# Altium PCB RCJ22_motherboard_2_final.PcbDoc (part 3 of 4)
Units mm, origin at the board's own origin, x right, y up, seen from the top; angles counter-clockwise.
Board outline 106.05 x 111.54 mm, 4 copper layers (Top Layer, Signal Layer 1, Signal Layer 2, Bottom Layer), stack 1.651 mm thick; 282 components, 273 nets, 1158 pads, 491 vias.
Unrouted connection lines stored in the file: 163.
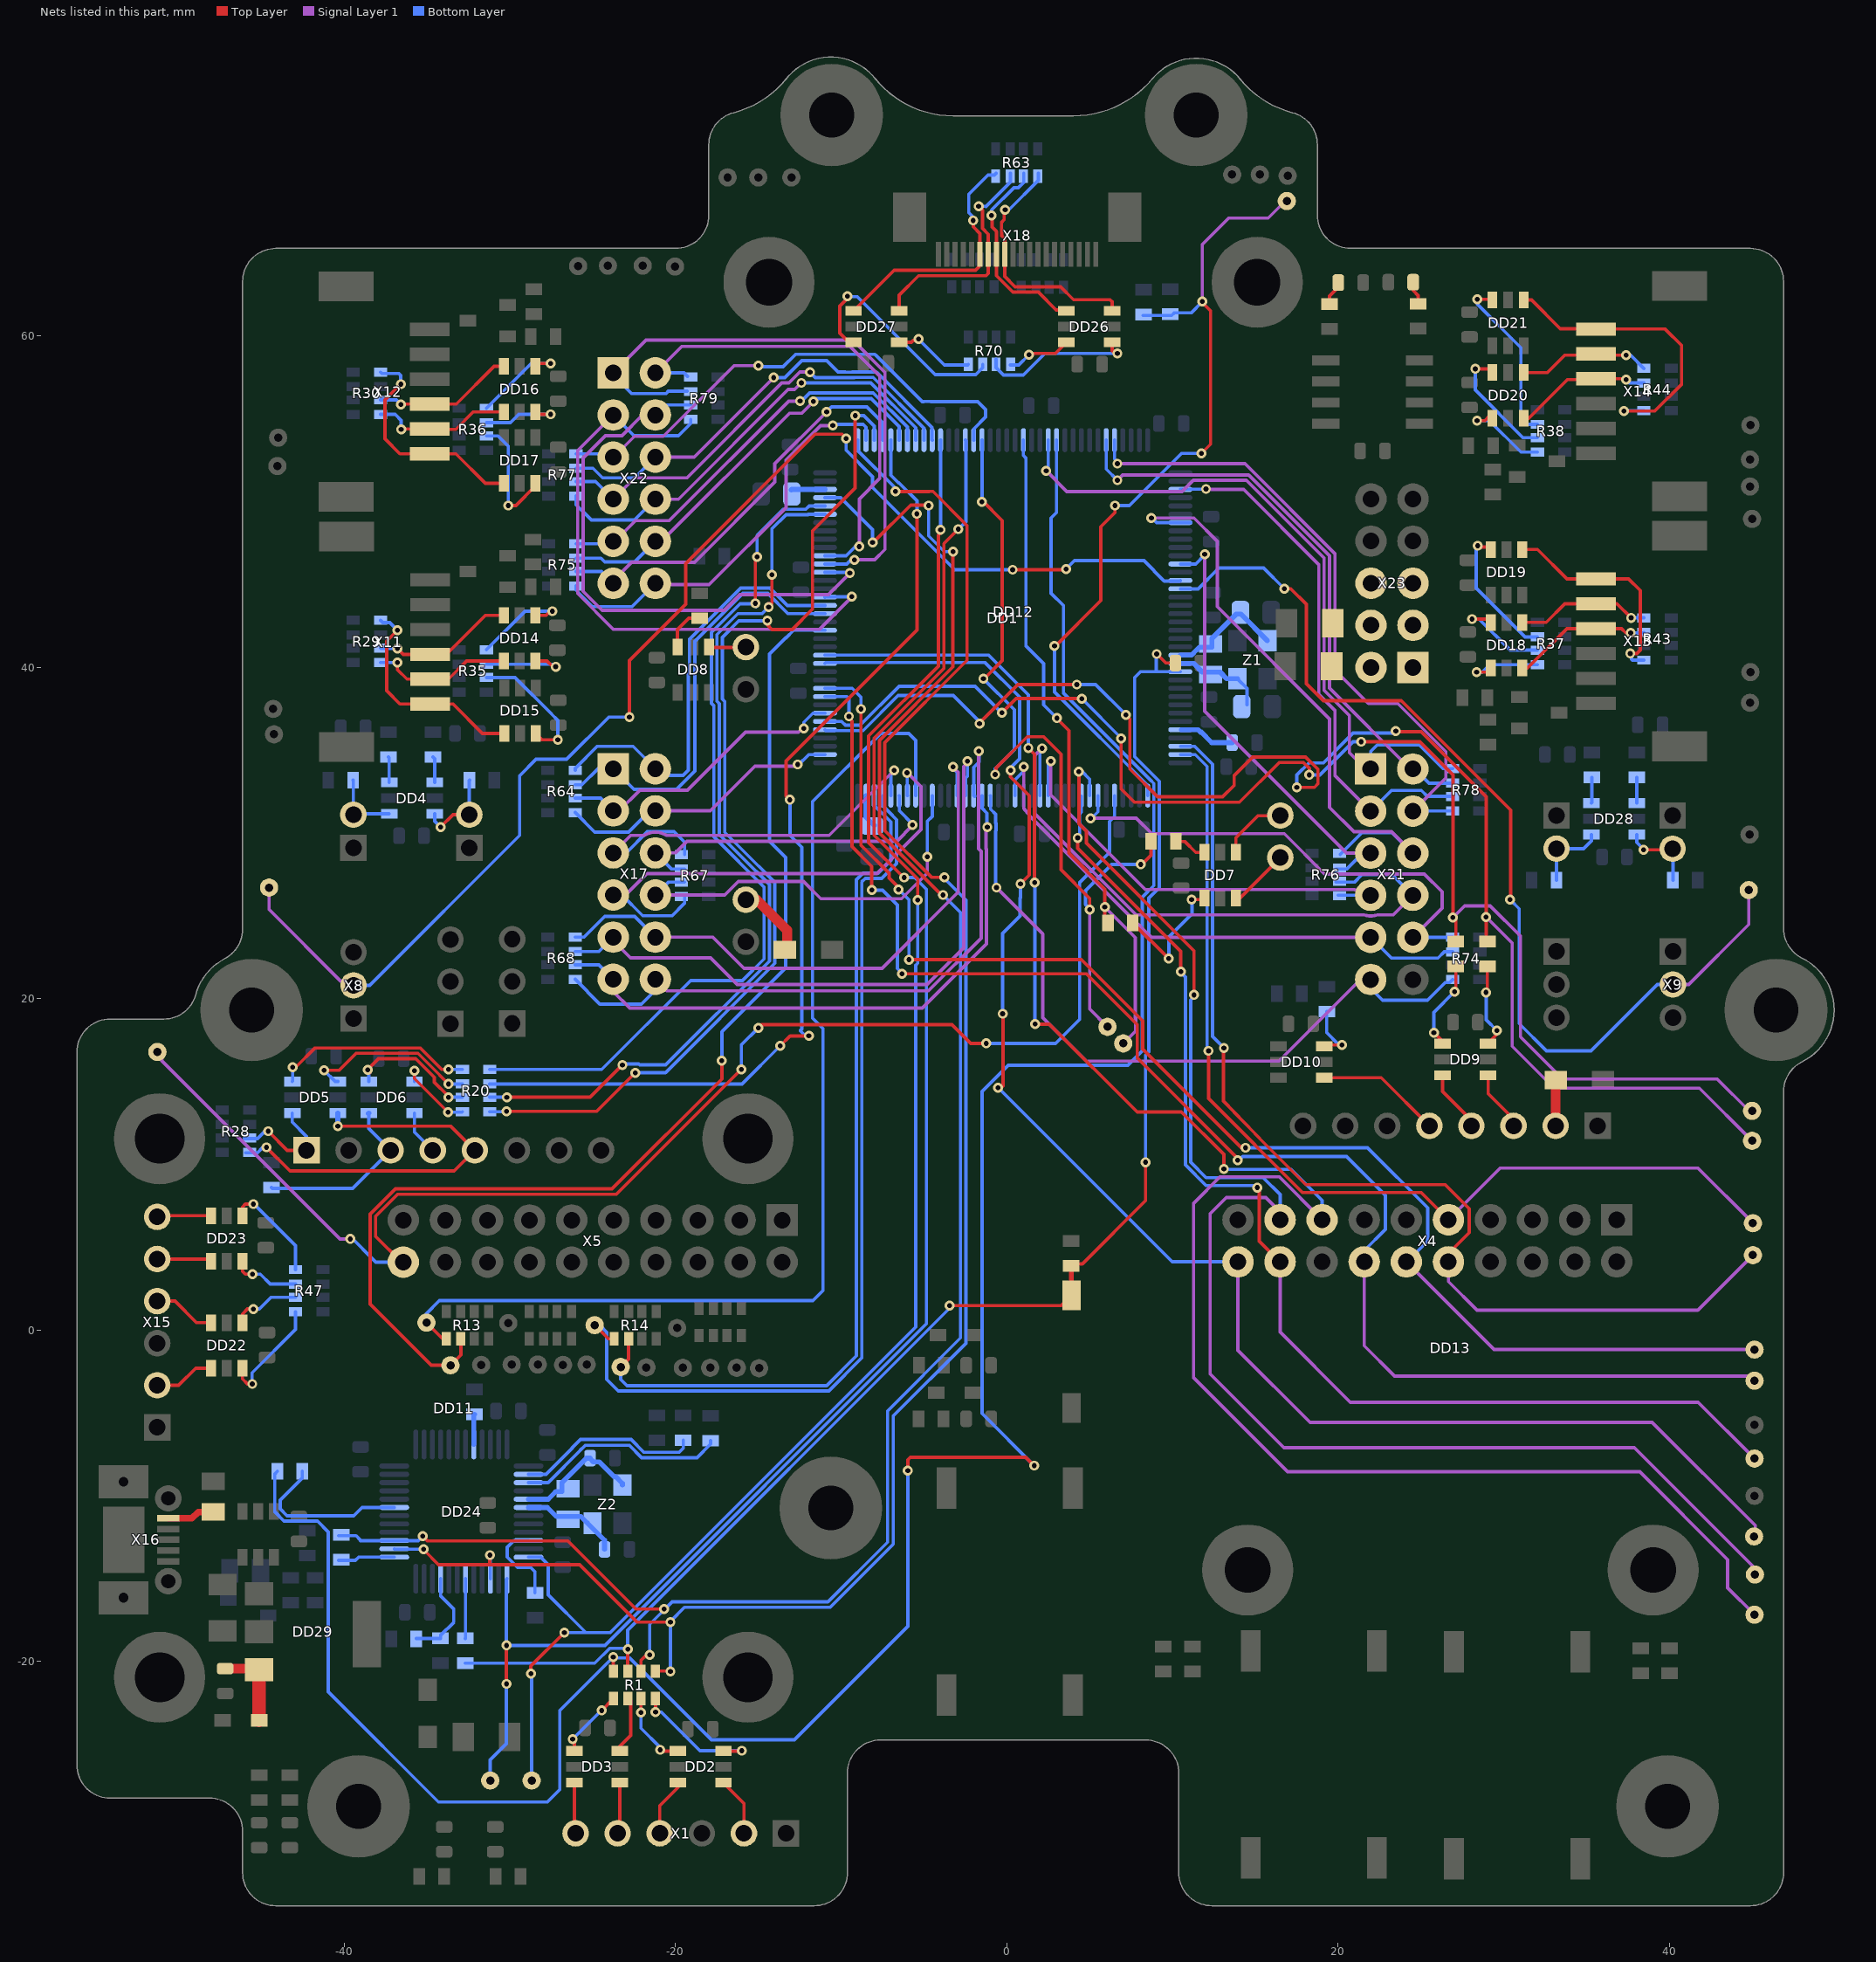
[diagram p5: the nets of this part, all layers, seen from the top]

## Via types
v1: diameter 0.6, hole 0.3, Top Layer to Bottom Layer, tented both sides, 475 vias
v2: diameter 1.1, hole 0.5, Top Layer to Bottom Layer, tented both sides, 16 vias

## Nets (pads, with @x,y where several pads share a name; then routed paths per layer and width w, separated by ;. In a path a pad name is that pad's centre, name@x,y a point inside that pad or via, vN(x,y) a via of type N, cw(c..) or ccw(c..) an arc to the next point about the centre after c; other vN are vias at no path point) (continued)
MCU_MOTOR4_ENC: 24.1 DD1.89 R13.6 | length 69.9
  Top Layer w0.2: R13.6@-32.95,-0.525 -32.95,-1.5 24.1@-33.575,-2.125 -34.737,-2.125 -38.425,1.563 -38.425,7 -36.9,8.525 -23.825,8.525 -17.2,15.15 v1(-17.2,16.25) v1@-17.2,16.3
  Bottom Layer w0.2: v1@-17.2,16.3 -17.2,18 -13.349,21.851 -13.349,28.512 -14.324,29.487 -14.324,40.791 -13.34,41.775 -13.313,41.775 -12.863,42.225 DD1.89@-10.975,42.225
MCU_MOTOR4_ENC_INT: 26.1 DD1.65 R13.5 | length 67.8
  Top Layer w0.2: 26.1@-35.025,0.45 -34.05,-0.525 R13.5@-33.825,-0.525
  Bottom Layer w0.2: 26.1@-35.025,0.45 -35.025,0.995 -34.245,1.775 -11.7,1.775 -11.096,2.379 -11.096,18.192 -11.724,18.82 -11.724,31.883 -7.607,36 -5.925,36 -5.5,35.575 DD1.65@-5.5,32.25
MCU_MOTOR4_IN1: 23.1 DD1.70 R14.6 | length 53.4
  Top Layer w0.2: 23.1@-23.3,-2.225 -22.825,-1.75 R14.6@-22.825,-0.525
  Bottom Layer w0.2: 23.1@-23.3,-2.225 -23.3,-2.975 -22.925,-3.35 -10.879,-3.35 -9.08,-1.551 -9.08,27.17 -8.675,27.575 -7.761,27.575 -7,28.336 -7,30.664 -7.511,31.175 -7.53,31.175 -7.875,31.52 -7.875,31.523 -8,31.648 DD1.70@-8,32.25
MCU_MOTOR4_IN2: 25.1 DD1.69 R14.5 | length 57.5
  Top Layer w0.2: 25.1@-24.875,0.3 -24.05,-0.525 R14.5@-23.7,-0.525
  Bottom Layer w0.2: 25.1@-24.875,0.3 -24.575,0.3 -24.15,-0.125 -24.15,-2.975 -23.45,-3.675 -10.744,-3.675 -8.755,-1.686 -8.755,27.035 -8.541,27.25 -7.549,27.25 -6.65,28.149 -6.65,30.795 -7.134,31.279 -7.375,31.52 -7.375,31.523 -7.5,31.648 DD1.69@-7.5,32.25
MCU_PA7: DD1.43 R74.8 X21.10 | length 31.2
  Signal Layer 1 w0.2: v1(5.05,30.875) 5.069,30.894 7.806,30.894 8.75,29.95 16.75,29.95 19.175,27.525 25.2,27.525 26.275,26.45 26.275,25.47 X21.10@24.5,23.695 X21.10@24.5,24.352
  Bottom Layer w0.2: v1(5.05,30.875) 5.1,30.875 5.5,31.275 DD1.43@5.5,32.25 ; X21.10@24.505,23.7 R74.8@26.9,23.7
MCU_PA15: DD1.110 R75.8 X22.12 | length 25.3
  Signal Layer 1 w0.2: X22.12@-21.21,45.055 -21.13,44.975 -17.974,44.975 -13.325,49.624 -13.325,52.49 -11.238,54.578 v1(-10.5,54.578)
  Bottom Layer w0.2: R75.8@-26,44.9 -26,44.65 -25,43.65 -22.615,43.65 X22.12@-21.21,45.055 ; v1(-10.5,54.578) -10.428,54.65 -8.67,54.65 -8.5,54.48 DD1.110@-8.5,53.7
MCU_PB8: DD1.139 R78.7 X21.2 | length 35.5
  Signal Layer 1 w0.2: v1(6.675,51.275) 6.675,51.283 6.992,51.6 14.594,51.6 19.475,46.719 19.475,38.735 24.355,33.855 X21.2@24.5,33.855
  Bottom Layer w0.2: DD1.139@6,53.7 6,51.95 v1(6.675,51.275) ; X21.2@24.5,33.855 24.62,33.855 25.475,33 R78.7@26.9,33
MCU_PB9: DD1.140 R78.5 X21.4 | length 40.2
  Top Layer w0.2: X21.4@24.5,31.165 X21.4@24.5,31.315
  Signal Layer 1 w0.2: v1(6.675,52.277) 14.377,52.277 19.8,46.854 19.8,39.828 21.828,37.8 23.602,37.8 26.5,34.902 26.5,33.315 X21.4@24.5,31.315
  Bottom Layer w0.2: DD1.140@6.5,53.7 6.5,52.56 6.675,52.385 v1(6.675,52.277) ; X21.4@25.085,31.315 X21.4@24.5,31.315 24.51,31.325 R78.5@26.9,31.325
MCU_PB13: DD1.74 R64.8 X17.4 | length 17.5
  Signal Layer 1 w0.2: X17.4@-21.21,31.33 -17.895,31.33 -15.2,34.025 -12.732,34.025 v1(-12.625,34.132)
  Bottom Layer w0.2: R64.8@-26.05,31.225 -24.875,30.05 -22.825,30.05 -21.545,31.33 X17.4@-21.21,31.33 ; v1(-12.625,34.132) -12.548,34.132 -11.955,34.725 DD1.74@-10.975,34.725
MCU_PC6: DD1.96 R79.6 X22.4 | length 34.9
  Signal Layer 1 w0.2: X22.4@-21.21,55.215 -21.982,55.215 -23.232,53.965 -24.228,53.965 -25.575,52.618 -25.575,44.575 -24.425,43.425 -17.068,43.425 -16.116,44.377 -10.773,44.377 v1(-9.475,45.675)
  Bottom Layer w0.2: X22.4@-21.21,55.215 -20.6,55.825 R79.6@-19.075,55.825 ; DD1.96@-10.975,45.725 -9.525,45.725 v1(-9.475,45.675)
MCU_PC7: DD1.97 R79.7 X22.1 | length 37.8
  Signal Layer 1 w0.2: X22.1@-23.75,57.755 -21.772,59.733 -9.291,59.733 -7.35,57.791 -7.35,47.1 -7.973,46.477 v1(-9.2,46.477)
  Bottom Layer w0.2: X22.1@-23.75,57.755 -23.75,57.61 -22.645,56.505 -20.57,56.505 -20.425,56.65 R79.7@-19.3,56.65 ; DD1.97@-10.975,46.225 -9.653,46.225 -9.477,46.401 -9.277,46.401 v1(-9.2,46.477)
MCU_PC8: DD1.98 R79.8 X22.2 | length 30.1
  Signal Layer 1 w0.2: X22.2@-21.21,57.755 -19.613,59.352 -9.462,59.352 -9.441,59.332 -7.675,57.565 -7.675,51.375 -8.9,50.15 v1(-8.9,47.277)
  Bottom Layer w0.2: X22.2@-21.21,57.755 -19.48,57.755 R79.8@-19.275,57.55 ; DD1.98@-10.975,46.725 -9.695,46.725 -9.143,47.277 v1(-8.9,47.277)
MCU_PC11: DD1.112 R75.7 X22.11 | length 25.4
  Signal Layer 1 w0.2: X22.11@-23.75,45.055 -23.75,45.225 -22.65,46.325 -18.842,46.325 -14,51.167 -14,52.275 v1(-10.875,55.4)
  Bottom Layer w0.2: R75.7@-26,45.775 -24.47,45.775 X22.11@-23.75,45.055 ; v1(-10.875,55.4) -10.572,55.703 -8.453,55.703 -7.5,54.75 DD1.112@-7.5,53.7
MCU_PC13: DD1.7 R76.5 X21.6 | length 37.5
  Signal Layer 1 w0.2: v1(8.725,49) 11.298,49 12.7,47.598 12.7,43.65 19.475,36.875 19.475,31.532 20.942,30.065 23.21,30.065 X21.6@24.5,28.775
  Bottom Layer w0.2: v1(8.725,49) 8.767,49 9.042,48.725 DD1.7@10.475,48.725 DD1.7@11.108,48.725 ; R76.5@20.117,28.7 21.442,30.025 23.25,30.025 X21.6@24.5,28.775
MCU_PD0: DD1.114 R75.6 X22.10 | length 25.2
  Signal Layer 1 w0.2: X22.10@-21.21,47.595 -20.847,47.595 -13.117,55.325 -12.378,55.325 v1(-11.676,56.028)
  Bottom Layer w0.2: R75.6@-26,46.575 -24.498,46.575 -24.268,46.345 -22.46,46.345 X22.10@-21.21,47.595 ; v1(-11.676,56.028) -11.503,56.2 -8.176,56.2 -6.5,54.524 DD1.114@-6.5,53.7
MCU_PD1: DD1.115 R75.5 X22.9 | length 25.6
  Signal Layer 1 w0.2: X22.9@-23.75,47.595 -23.655,47.595 -22.405,48.845 -20.692,48.845 -20.685,48.838 -20.375,48.838 -13.16,56.053 v1(-12.476,56.053)
  Bottom Layer w0.2: R75.5@-26,47.45 -23.895,47.45 X22.9@-23.75,47.595 ; v1@-12.5,55.946 v1@-12.476,55.97 ; v1(-12.476,56.053) -12.476,56.02 -12.501,55.995 v1@-12.476,55.97 ; DD1.115@-6,53.7 -6,54.484 -8.069,56.553 -11.893,56.553 v1@-12.476,55.97
MCU_PD2: DD1.116 R77.8 X22.8 | length 26.7
  Signal Layer 1 w0.2: X22.8@-21.21,50.135 -19.815,50.135 -13.2,56.75 -12.803,56.75 v1(-12.401,57.153)
  Bottom Layer w0.2: R77.8@-26,50.325 -26,49.8 -25.075,48.875 -22.47,48.875 X22.8@-21.21,50.135 ; v1(-12.401,57.153) -12.398,57.15 -9.063,57.15 -9.061,57.153 -8.203,57.153 -5.5,54.45 DD1.116@-5.5,53.7
MCU_PD3: DD1.117 R77.7 X22.7 | length 26.7
  Signal Layer 1 w0.2: X22.7@-23.75,50.135 -22.46,51.425 -19.303,51.425 -13.578,57.149 -13.147,57.149 -12.493,57.803 v1(-11.876,57.803)
  Bottom Layer w0.2: R77.7@-26,51.2 -24.815,51.2 X22.7@-23.75,50.135 ; v1(-11.876,57.803) -11.548,57.475 -9.198,57.475 -9.195,57.478 -8.068,57.478 -5,54.41 DD1.117@-5,53.7
MCU_PD4: DD1.118 R77.6 X22.6 | length 27.4
  Signal Layer 1 w0.2: X22.6@-21.21,52.675 -18.868,52.675 v1(-14.071,57.472)
  Bottom Layer w0.2: R77.6@-26,52 -24.975,52 -24.4,51.425 -22.46,51.425 X22.6@-21.21,52.675 X22.6@-21.21,52.381 ; v1(-14.071,57.472) -13.399,57.472 -12.379,58.491 -10.878,58.491 -10.19,57.803 -9.77,57.803 -9.767,57.8 -9.333,57.8 -9.33,57.803 -7.903,57.803 -7.9,57.8 -7.85,57.8 -4.519,54.47 -4.519,53.719 DD1.118@-4.5,53.7
MCU_PD6: DD1.123 R77.5 X22.5 | length 31
  Signal Layer 1 w0.2: X22.5@-23.75,52.675 -23.725,52.675 -22.475,53.925 -20.732,53.925 -16.46,58.197 v1(-14.991,58.197)
  Bottom Layer w0.2: R77.5@-26,52.875 -23.95,52.875 X22.5@-23.75,52.675 ; v1(-14.991,58.197) -14.915,58.121 -13.5,58.121 -12.746,58.875 -7.96,58.875 -7.901,58.816 -5.11,56.025 -5.02,56.025 -5.017,56.028 -4.583,56.028 -4.58,56.025 -1.758,56.025 -1.275,55.542 -1.275,55.1 -2,54.375 DD1.123@-2,53.7
MCU_PD10: DD1.79 R64.7 X17.3 | length 18.1
  Signal Layer 1 w0.2: X17.3@-23.75,31.33 -23.395,31.33 -22.145,32.58 -20.692,32.58 -20.687,32.575 -19.275,32.575 -15.775,36.075 -12.567,36.075 -12.34,36.302 v1(-12.25,36.302)
  Bottom Layer w0.2: R64.7@-26.05,32.1 -24.52,32.1 X17.3@-23.75,31.33 ; v1(-12.25,36.302) -12.25,36.675 -11.7,37.225 DD1.79@-10.975,37.225
MCU_PE4: DD1.3 R78.6 X21.3 | length 32
  Signal Layer 1 w0.2: v1(12.019,50.75) 12.044,50.725 14.299,50.725 18.825,46.199 18.825,38.375 19.8,37.4 19.8,33.475 X21.3@21.96,31.315
  Bottom Layer w0.2: DD1.3@10.475,50.725 10.487,50.737 12.007,50.737 v1(12.019,50.75) ; X21.3@21.96,31.315 23.21,32.565 25.018,32.565 25.383,32.2 R78.6@26.9,32.2
MCU_PE7: DD1.58 R68.8 X17.12 | length 42
  Signal Layer 1 w0.2: X17.12@-21.21,21.17 -20.515,20.475 -4.725,20.475 -1.55,23.65 -1.55,28.892 -1.7,29.043 -1.7,34.924 v1(-1.685,34.94)
  Bottom Layer w0.2: R68.8@-26.05,21.165 -24.56,19.675 -22.05,19.675 -21.21,20.515 X17.12@-21.21,21.17 ; DD1.58@-2,32.25 -2,33.959 -1.685,34.274 v1(-1.685,34.94) ; DD1.58@-1.944,32.194 DD1.58@-1.944,32.25
MCU_PE8: DD1.59 R68.6 X17.9 | length 39.5
  Signal Layer 1 w0.2: X17.9@-23.75,23.71 -23.75,23.5 -22.71,22.46 -17.884,22.46 -16.274,20.85 -4.81,20.85 -2.6,23.06 -2.6,34.01 -2.375,34.234 v1(-2.375,34.327)
  Bottom Layer w0.2: R68.6@-26.05,22.84 -24.62,22.84 X17.9@-23.75,23.71 ; DD1.59@-2.5,32.25 -2.5,33.3 -2.375,33.425 v1(-2.375,34.327)
MCU_PE9: DD1.60 R68.5 X17.10 | length 36.3
  Signal Layer 1 w0.2: X17.10@-21.21,23.71 -17.75,23.71 -15.866,21.826 -7.531,21.826 -2.925,26.433 -2.925,33.66 -3.237,33.972 v1(-3.237,33.977)
  Bottom Layer w0.2: R68.5@-26.05,23.715 -25.513,23.715 -24.268,24.96 -22.46,24.96 X17.10@-21.21,23.71 ; v1(-3.237,33.977) -3.237,33.897 -3,33.66 DD1.60@-3,32.25
MCU_PE10: DD1.63 R67.6 X17.8 | length 24.7
  Signal Layer 1 w0.2: X17.8@-21.21,26.25 -17.025,26.25 -16.205,27.07 -12.273,27.07 -11.227,26.025 -6.349,26.025 -4.8,27.573 v1(-4.8,28.551)
  Bottom Layer w0.2: X17.8@-21.21,26.25 -20.435,27.025 R67.6@-19.65,27.025 R67.6@-19.45,27.025 ; v1(-4.8,28.551) -4.8,30.7 -4.5,31 DD1.63@-4.5,32.25
MCU_PE13: DD1.66 R67.5 X17.7 | length 30.9
  Signal Layer 1 w0.2: X17.7@-23.75,26.25 -23.018,26.25 -21.728,27.54 -7.835,27.54 -5.175,30.2 -5.175,32.8 -6,33.625 v1(-6.025,33.625)
  Bottom Layer w0.2: X17.7@-23.75,26.25 -23.225,26.25 -21.975,25 -20.2,25 -19.45,25.75 R67.5@-19.45,26.15 ; v1(-6.025,33.625) -6.012,33.612 -6.012,32.262 DD1.66@-6,32.25
MCU_PE14: DD1.67 R67.7 X17.6 | length 20.5
  Signal Layer 1 w0.2: X17.6@-21.21,28.79 -20.013,28.79 -19.303,29.5 -6.634,29.5 -5.7,30.434 v1(-5.7,30.476)
  Bottom Layer w0.2: X17.6@-21.21,28.79 -20.245,27.825 R67.7@-19.65,27.825 R67.7@-19.45,27.825 ; DD1.67@-6.5,32.25 -6.481,32.231 -6.481,31.329 -5.7,30.548 v1(-5.7,30.476)
MCU_PE15: DD1.68 R67.8 X17.5 | length 26.5
  Signal Layer 1 w0.2: X17.5@-23.75,28.79 -22.69,29.85 -21.873,29.85 cw(c-21.21,28.79) -20.547,29.85 -10.725,29.85 v1(-6.8,33.775)
  Bottom Layer w0.2: X17.5@-23.75,28.79 -22.978,28.79 -21.693,30.075 -20.075,30.075 -19.45,29.45 R67.8@-19.45,28.7 ; DD1.68@-7,32.25 -7,33.575 v1(-6.8,33.775)
MCU_PF2: DD1.12 R76.6 X21.5 | length 27.3
  Signal Layer 1 w0.2: v1(11.946,46.805) 11.946,37.337 20.508,28.775 X21.5@21.96,28.775
  Bottom Layer w0.2: DD1.12@10.475,46.225 11.4,46.225 11.946,46.771 v1(11.946,46.805) ; R76.6@19.856,27.825 20.525,27.825 21.475,28.775 X21.5@21.96,28.775
MCU_PF11: DD1.49 R76.8 X21.7 | length 27.9
  Signal Layer 1 w0.2: v1(2.65,34.325) 2.65,32.3 8.366,26.584 20.993,26.584 21.017,26.56 21.635,26.56 X21.7@21.96,26.235
  Bottom Layer w0.2: DD1.49@2.5,32.25 2.5,34.175 v1(2.65,34.325) ; R76.8@19.996,26.235 X21.7@21.96,26.235
MCU_PF12: DD1.50 R76.7 X21.8 | length 38.2
  Signal Layer 1 w0.2: v1(2.125,35.1) 1.7,34.675 1.7,31.16 7.777,25.083 7.81,25.05 21.562,25.05 ccw(c21.96,26.235) 22.358,25.05 23.315,25.05 X21.8@24.5,26.235
  Bottom Layer w0.2: DD1.50@2,32.25 2,34.975 v1(2.125,35.1) ; R76.7@19.856,27.025 20.982,27.025 21.442,27.485 23.25,27.485 X21.8@24.5,26.235
MCU_PF13: DD1.53 R74.7 X21.9 | length 34.2
  Signal Layer 1 w0.2: v1(1.025,33.977) 1.025,31.476 1.375,31.025 7.775,24.625 8.075,24.346 8.726,23.695 X21.9@21.96,23.695
  Bottom Layer w0.2: DD1.53@0.5,32.25 0.5,33.2 1,33.7 1,33.952 v1(1.025,33.977) ; X21.9@21.96,23.695 23.21,22.445 26.02,22.445 26.4,22.825 R74.7@26.9,22.825
MCU_PG0: DD1.56 R74.5 X21.11 | length 43.9
  Signal Layer 1 w0.2: v1(-0.625,26.7) 2.175,23.9 2.175,18.858 4.807,16.226 16.417,16.226 21.346,21.155 X21.11@21.96,21.155
  Bottom Layer w0.2: DD1.56@-1,32.25 -0.978,32.228 -0.978,31.432 -0.675,31.129 -0.675,30.594 -0.65,30.569 -0.65,30.134 -0.675,30.109 -0.675,26.75 v1(-0.625,26.7) ; X21.11@21.96,21.155 21.96,20.625 22.68,19.905 25.389,19.905 26.459,20.975 26.725,20.975 R74.5@26.9,21.15
MCU_PG1: DD1.57 R68.7 X17.11 | length 37.1
  Signal Layer 1 w0.2: X17.11@-23.75,21.17 -23.75,20.416 -22.759,19.425 -5.1,19.425 -1.225,23.3 -1.225,29.027 -1.25,29.052 -1.25,30.276 v1(-1.175,30.351)
  Bottom Layer w0.2: R68.7@-26.05,22.04 -24.62,22.04 X17.11@-23.75,21.17 ; DD1.57@-1.5,32.25 -1.5,31.494 -1.2,31.194 -1.2,30.377 v1(-1.175,30.351)
MCU_PG6: DD1.91 R64.6 X17.1 | length 26
  Bottom Layer w0.2: R64.6@-26.05,32.9 -25.65,32.9 -24.68,33.87 X17.1@-23.75,33.87 -22.5,32.62 -20.692,32.62 -20.687,32.625 -19.93,32.625 -18.825,33.73 -18.825,41.556 -15.931,44.45 -14.426,44.45 -13.201,43.225 DD1.91@-10.975,43.225
MCU_PG7: DD1.92 R64.5 X17.2 | length 26.2
  Bottom Layer w0.2: R64.5@-26.05,33.775 -26.05,33.894 -24.719,35.225 -22.55,35.225 -21.21,33.885 X17.2@-21.21,33.87 -20.789,33.87 -20.394,33.475 -19.54,33.475 -19.225,33.79 -19.225,39.583 -19.15,39.658 -19.15,41.69 -16.065,44.775 -14.291,44.775 -13.241,43.725 DD1.92@-10.975,43.725
MCU_PG8: DD1.93 R79.5 X22.3 | length 37.3
  Signal Layer 1 w0.2: X22.3@-23.75,55.215 -25.9,53.065 -25.9,44.44 -23.737,42.277 -11.323,42.277 v1(-9.35,44.25)
  Bottom Layer w0.2: X22.3@-23.75,55.215 -22.5,53.965 -19.81,53.965 -19.075,54.7 R79.5@-19.075,54.95 ; DD1.93@-10.975,44.225 -10.95,44.25 v1(-9.35,44.25)
MCU_PG15: DD1.132 R78.8 X21.1 | length 42.2
  Top Layer w0.2: X21.1@21.653,33.855 X21.1@21.96,33.855
  Signal Layer 1 w0.2: v1(2.375,51.85) 3.625,50.6 10.574,50.6 11.249,51.275 14.46,51.275 19.15,46.585 19.15,38.6 20.675,37.075 20.675,34.833 X21.1@21.653,33.855
  Bottom Layer w0.2: v1(2.375,51.85) 2.5,51.975 DD1.132@2.5,53.7 ; X21.1@21.96,33.855 21.96,34.91 22.35,35.3 24.9,35.3 26.325,33.875 R78.8@26.9,33.875
MCU_PH1: 16.1 DD1.44 X4.17 | length 89.3
  Top Layer w0.2: v1(4.35,33.7) 4.35,30.544 4.8,30.094 4.8,29.387 11.301,22.886 v1(11.301,20.225)
  Signal Layer 1 w0.2: X4.17@16.491,6.659 16.491,7.135 15.626,8 13.25,8 12.275,7.025 12.275,-2.65 16.725,-7.1 37.875,-7.1 45.15,-14.375 16.1@45.15,-14.75
  Bottom Layer w0.2: v1(4.35,33.7) 4.535,33.7 5,33.235 DD1.44@5,32.25 ; v1(11.301,20.225) 11.301,20.117 11.101,19.917 11.101,10.128 12.029,9.2 15.475,9.2 16.491,8.184 X4.17@16.491,6.659
MCU_PH2: 19.1 DD1.45 X4.18 | length 70.7
  Top Layer w0.2: v1(4.275,29.7) 4.275,29.075 10.5,22.85 v1(10.5,21.625) ; v1(15.11,8.6) 15.241,8.469 15.241,5.369 X4.18@16.491,4.119
  Signal Layer 1 w0.2: X4.18@16.491,4.119 16.491,-0.116 20.725,-4.35 41.725,-4.35 19.1@45.125,-7.75
  Bottom Layer w0.2: v1@4.4,29.968 4.4,31.144 4.5,31.244 DD1.45@4.5,32.2 ; v1(10.5,21.625) 10.5,21.583 10.776,21.308 10.776,9.974 12.025,8.725 14.985,8.725 v1(15.11,8.6)
MCU_POTENTIOMETER1: 32.1 DD1.14 X8.2 | length 82.5
  Top Layer w0.2: v1(-22.775,36.988) -22.775,40.4 -19.375,43.8 -19.375,46.252 -11.574,54.053 -11.224,54.053 -11.217,54.059 -10.783,54.059 -10.776,54.053 -9.953,54.053 v1(-9.7,53.8) ; v1(0.35,45.877) 3.527,45.877 v1(3.575,45.925)
  Signal Layer 1 w0.2: 32.1@-44.525,26.7 -44.525,25.378 -40.215,21.068 -39.693,21.068 X8.2@-39.425,20.8
  Bottom Layer w0.2: X8.2@-39.425,20.8 -38.45,20.8 -29.405,29.845 -29.405,33.442 -28.408,34.439 -26.567,34.439 -24.018,36.988 v1(-22.775,36.988) ; v1(-9.7,53.8) -9.7,53.092 -8.1,51.492 -8.1,50.84 -3.137,45.877 v1(0.35,45.877) ; v1(3.575,45.925) 4.075,46.425 8.275,46.425 9.5,45.2 10.45,45.2 DD1.14@10.475,45.225
MCU_POTENTIOMETER2: 33.1 DD1.15 X9.2 | length 62.2
  Top Layer w0.2: v1(16.75,44.735) 17.129,44.735 18.075,43.79 18.075,39.008 19.114,37.969 23.806,37.969 30.4,31.375 v1@30.4,25.97
  Signal Layer 1 w0.2: X9.2@40.2,20.85 41.15,20.85 44.775,24.475 33.1@44.775,26.55
  Bottom Layer w0.2: DD1.15@10.475,44.725 11.541,44.725 12.797,45.981 15.505,45.981 v1(16.75,44.735) ; v1(30.375,25.97) 30.925,25.42 30.925,18.493 32.568,16.85 35.25,16.85 39.25,20.85 X9.2@40.2,20.85
MCU_PWM1: 10.1 DD1.86 X4.15 | length 117.6
  Top Layer w0.2: v1(1.3,35.127) 1.675,34.752 v1(1.675,27) ; v1(1.7,18.461) 2.571,18.461 7.868,13.165 10.535,13.165 13.1,10.6 v1(13.1,9.725)
  Signal Layer 1 w0.2: X4.15@19.031,6.659 16.44,9.25 12.865,9.25 11.275,7.66 11.275,-2.875 16.95,-8.55 38.2,-8.55 43.5,-13.85 43.5,-15.55 10.1@45.125,-17.175
  Bottom Layer w0.2: DD1.86@-10.975,40.725 -1.09,40.725 1.3,38.335 v1(1.3,35.127) ; v1(1.675,27) 1.7,26.975 v1(1.7,18.461) ; v1@13,9.7 17.16,9.7 19.031,7.829 X4.15@19.031,6.659
MCU_PWM2: 27.1 DD1.85 X4.20 | length 98.5
  Top Layer w0.2: v1(-0.525,14.625) -0.325,14.625 -0.225,14.725 -0.225,19.065 v1(-0.25,19.09) ; v1(0.225,33.777) 0.225,33.375 1.35,32.25 1.35,27.453 v1(0.825,26.928)
  Signal Layer 1 w0.2: X4.20@13.951,4.119 13.951,-1.225 18.301,-5.575 38.95,-5.575 45.177,-11.802 45.177,-12.423 27.1@45.35,-12.25
  Bottom Layer w0.2: DD1.85@-10.975,40.225 -10.925,40.275 -1.303,40.275 0.775,38.197 0.775,34.469 0.25,33.944 v1@0.25,33.725 ; v1(-0.525,14.625) 9.981,4.119 X4.20@13.951,4.119 ; v1(-0.25,19.09) -0.25,23.943 0.8,24.993 0.8,26.067 0.825,26.092 v1(0.825,26.928)
MCU_PWM_LIGHT: 52.1 DD1.37 R69.1 R71.1 | length 50.9
  Top Layer w0.2: v1(2.875,41.275) 2.925,41.275 5.675,44.025 5.675,48.475 6.525,49.325 v1(6.525,49.75) ; v1(11.748,52.9) 12.3,53.452 12.3,61.5 11.8,62 v1(11.8,62.058)
  Signal Layer 1 w0.2: v1(11.8,62.058) 11.8,65.508 13.392,67.1 15.774,67.1 52.1@16.799,68.125
  Bottom Layer w0.2: v1(2.875,41.275) 2.875,38.508 8.45,32.933 8.45,32.902 8.5,32.852 DD1.37@8.5,32.25 ; v1(6.525,49.75) 7.395,49.75 10.545,52.9 v1(11.748,52.9) ; R71.1@8.225,61.225 9.95,61.225 10.1,61.375 11.117,61.375 v1(11.8,62.058)
MCU_RST: C1.2 DD1.25 R1.3 R2.1 R59.2 SB1.1 | length 94
  Top Layer w0.2: R1.3@-22.875,-20.575 v1(-22.875,-19.25) ; v1(-3.45,1.475) 3.275,1.475 SB1.1@3.7,1.9 ; R2.1@3.875,3.875 3.998,3.998 4.558,3.998 8.375,7.815 v1(8.375,10.128) ; v1(9.041,40.791) 9.059,40.791 9.6,40.25 C1.2@10.175,40.25
  Top Layer w0.3: SB1.1@3.7,1.9 SB1.1@3.9,2.1 R2.1@3.9,3.85
  Bottom Layer w0.2: R59.2@-32.675,-20.1 -24.867,-20.1 -23.967,-19.2 -22.925,-19.2 v1(-22.875,-19.25) -22.875,-18.104 -3.296,1.475 v1(-3.45,1.475) ; v1(8.375,10.128) 8.375,16.584 8.575,16.784 8.575,26.061 9.2,26.686 9.2,33.115 8.79,33.525 7.71,34.605 7.71,39.369 8.065,39.725 9.025,39.725 ; v1@9.025,40.925 9.025,39.725 ; DD1.25@10.475,39.725 9.025,39.725
MCU_SERVO1: 4.1 DD1.81 X4.14 | length 90
  Top Layer w0.2: v1(-9.525,37.025) -9.525,36.917 -9.35,36.742 -9.35,29.182 -8.15,27.982 v1(-8.15,26.55) ; v1(-6.325,21.5) 4.8,21.5 7.875,18.425 7.875,16.425 13.925,10.375 v1(13.925,10.25)
  Signal Layer 1 w0.2: X4.14@21.571,4.119 21.571,-0.946 23.4,-2.775 44.85,-2.775 4.1@45.125,-3.05
  Bottom Layer w0.2: DD1.81@-10.975,38.225 -9.642,38.225 -9.525,38.108 v1(-9.525,37.025) ; v1(-8.15,26.55) -7.5,26.55 -6.596,25.645 -6.596,21.817 -6.325,21.546 v1(-6.325,21.5) ; v1(13.925,10.25) 14.017,10.25 14.242,10.475 20.5,10.475 22.85,8.125 22.85,6.075 21.571,4.796 X4.14@21.571,4.119
MCU_SERVO2: 5.1 DD1.82 X4.12 | length 85
  Top Layer w0.2: v1(-8.8,37.475) -8.8,29.254 -7.111,27.565 -7.111,27.272 -6.532,26.692 v1(-6.532,26.584) ; v1(-5.9,22.351) 4.499,22.351 8.2,18.65 8.2,16.954 14.154,11 v1(14.4,11)
  Signal Layer 1 w0.2: X4.12@24.111,4.119 29.405,-1.175 5.1@45.125,-1.175
  Bottom Layer w0.2: DD1.82@-10.975,38.725 -9.333,38.725 -8.8,38.192 v1(-8.8,37.475) ; v1(-6.532,26.584) -5.9,25.953 v1(-5.9,22.351) ; v1(14.4,11) 21.775,11 25.4,7.375 25.4,5.375 24.144,4.119 X4.12@24.111,4.119
MCU_SERVO3: 3.1 DD1.41 X5.20 | length 87.5
  Top Layer w0.2: X5.20@-36.42,4.1 -36.53,4.1 -38.1,5.67 -38.1,6.85 -36.75,8.2 -23.55,8.2 v1(-16.025,15.725) ; v1(-15,18.225) -14.8,18.425 -3.305,18.425 -2.18,17.3 v1(-1.25,17.3)
  Signal Layer 1 w0.2: 3.1@-51.263,16.78 -51.263,16.536 -50.995,16.269 -50.995,16.245 -40.25,5.5 v1(-39.625,5.5)
  Bottom Layer w0.2: v1@-39.675,5.7 -38.075,4.1 X5.20@-36.42,4.1 ; v1(-16.025,15.725) -16.025,17.2 v1(-15,18.225) ; v1(-1.25,17.3) 2.945,17.3 4.4,18.755 4.4,27.025 6.2,28.825 6.2,29.709 ; 6.2,29.709 6.2,30.691 6.5,30.991 DD1.41@6.5,32.25